# Altium PCB V5_CORE_V1.6.PcbDoc (part 3 of 3)
Units mm, origin at the board's own origin, x right, y up, seen from the top; angles counter-clockwise.
Board outline 33.75 x 33.75 mm, 6 copper layers (Top Layer, GND, S1, S2, POWER, Bottom Layer), stack 1.231 mm thick; 143 components, 224 nets, 730 pads, 388 vias.
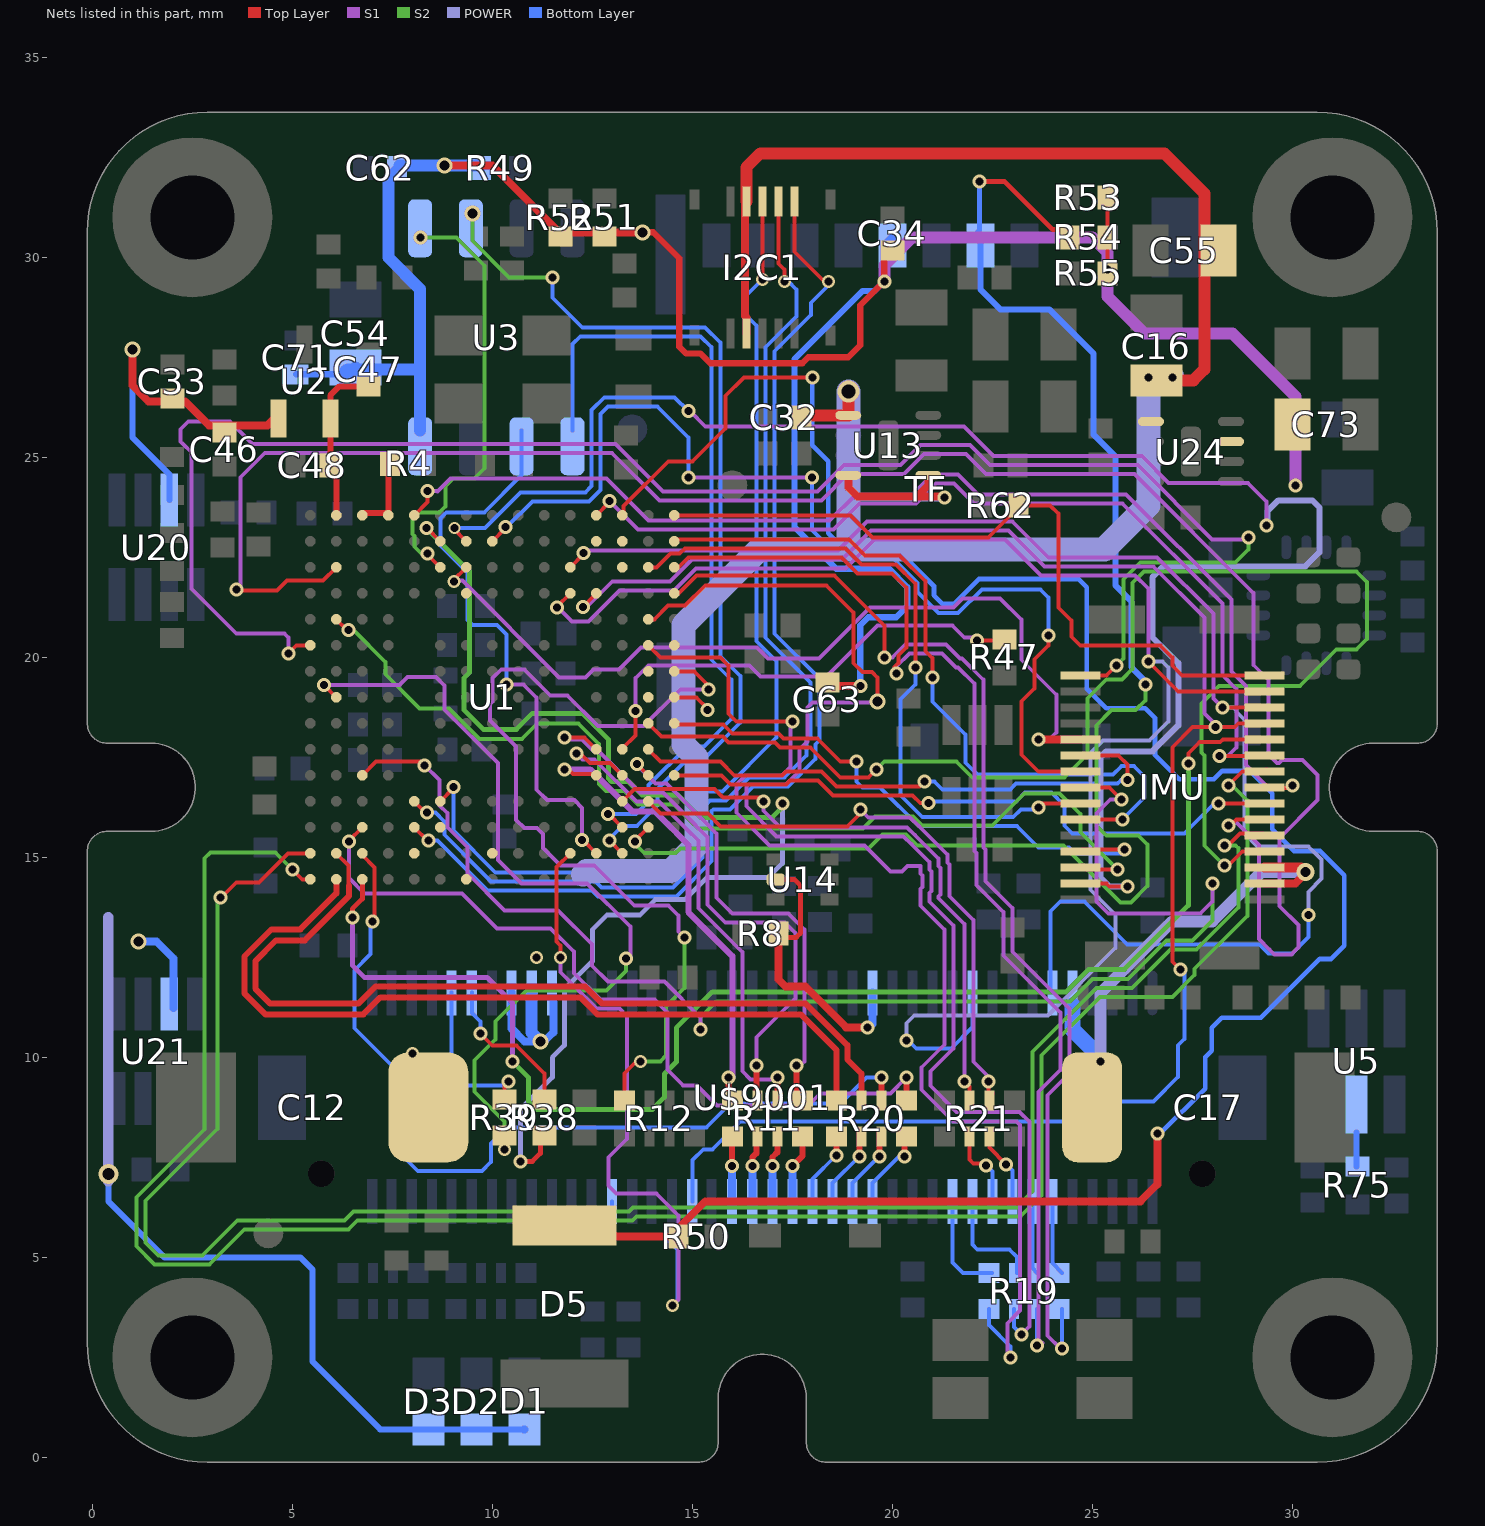
[diagram p7: the nets of this part, all layers, seen from the top]

## Via types
v1: diameter 0.35, hole 0.2, Top Layer to Bottom Layer, tented both sides, 328 vias
v2: diameter 0.4, hole 0.25, Top Layer to Bottom Layer, tented both sides, 32 vias
v3: diameter 0.325, hole 0.2, Top Layer to Bottom Layer, tented both sides, 19 vias
v4: diameter 0.5, hole 0.3, Top Layer to Bottom Layer, tented both sides, 2 vias
v5: diameter 0.4, hole 0.2, Top Layer to Bottom Layer, tented both sides, 2 vias
v6: diameter 0.55, hole 0.35, Top Layer to Bottom Layer, tented both sides, 2 vias
v7: diameter 0.45, hole 0.25, Top Layer to Bottom Layer, tented both sides, 1 vias
v8: diameter 0.32, hole 0.2, Top Layer to Bottom Layer, tented both sides, 1 vias
v9: diameter 0.3, hole 0.2, Top Layer to Bottom Layer, tented both sides, 1 vias

## Nets (pads, with @x,y where several pads share a name; then routed paths per layer and width w, separated by ;. In a path a pad name is that pad's centre, name@x,y a point inside that pad or via, vN(x,y) a via of type N, cw(c..) or ccw(c..) an arc to the next point about the centre after c; other vN are vias at no path point) (continued)
SDMMC1_D3: R54.2 TF.2 U1.B13 | length 39.1
  Top Layer w0.1: v1@13.567,15.417 U1.B13@13.9,15.75
  Top Layer w0.125: v1(22.175,31.9) 22.8,31.9 24,30.7 R54.2@24.425,30.7
  S2 w0.1: v1(13.567,15.398) 13.567,15.335 13.8,15.102 14.584,15.102 14.707,15.225 19.407,15.225 19.757,15.575 20.338,15.575 20.613,15.3 24.281,15.3 25.706,13.875 25.97,13.875 26.375,14.28 26.375,15.325 26.15,15.55 25.35,15.55 25.1,15.8 25.1,18.3 25.476,18.676 26.076,18.676 26.325,18.925 v1(26.325,19.325)
  Bottom Layer w0.125: TF.2@22.1,30.6 22.175,30.675 v1(22.175,31.9)
  Bottom Layer w0.15: TF.2@22.2,30.5 TF.2@22.2,30.3 22.2,29.2 22.7,28.7 23.925,28.7 25.025,27.6 25.025,25.575 25.575,25.025 25.575,21.8 25.975,21.4 25.975,19.755 26.325,19.405 v1(26.325,19.325)
SENSE_RESET: R75.1 U5.5 | length 0.8
  Bottom Layer w0.15: R75.1@31.6,7.275 U5.5@31.6,8.125
SPI1_CS1_ICM20689: IMU.22 U1.H2 | length 26.2
  Top Layer w0.1: U1.H2@10,22.9 v1@10.333,23.233 ; v1(23.9,20.55) 23.9,20.3 23.55,19.95 23.55,19.225 23.225,18.9 23.225,17.575 23.65,17.15 IMU.22@24.7,17.15
  S1 w0.1: v1(14.9,24.5) v1(17.99,24.5)
  Bottom Layer w0.1: v1(10.333,23.252) 10.357,23.252 11.005,23.9 12.418,23.9 12.705,24.187 12.705,26.087 12.893,26.275 14.125,26.275 14.9,25.5 v1(14.9,24.5) ; v1(17.99,24.5) 17.99,23.178 18.703,22.465 20.025,22.465 20.629,21.861 20.629,21.629 21.154,21.105 21.646,21.105 22.241,21.7 23.7,21.7 23.9,21.5 v1(23.9,20.55)
SPI1_CS2_ICM20602: IMU.29 U1.J2 | length 43.7
  Top Layer w0.1: v9@8.998,23.233 9.017,23.233 U1.J2@9.35,22.9 ; IMU.29@24.7,14.35 25.35,14.35 25.425,14.275 v1(25.875,14.275)
  S1 w0.1: v1(14.901,26.151) 14.949,26.151 15.325,25.775 20.452,25.775 21.789,25.775 22.535,25.029 26.238,25.029 26.905,24.362 28.887,24.362 29.35,23.9 v1(29.35,23.3)
  POWER w0.15: v1(25.875,14.275) 25.425,14.275 25.2,14.5 25.2,17.5 25.346,17.646 26.5,17.646 27.15,18.296 27.15,19.854 26.5,20.504 26.5,22 26.775,22.275 30.325,22.275 30.675,22.625 30.675,23.75 30.5,23.925 29.65,23.925 29.375,23.65 29.375,23.325 v1(29.35,23.3)
  Bottom Layer w0.1: v9@8.998,23.233 9.818,23.233 10.71,24.125 12.325,24.125 12.48,24.28 12.48,26.18 12.8,26.5 14.552,26.5 v1(14.901,26.151)
  Bottom Layer w0.15: v1@25.875,14.225 v1(25.875,14.275)
  other v9: 9.05,23.226
SPI1_CS3_BMI055_GYRO: IMU.20 U1.J3 | length 21.7
  Top Layer w0.1: v3@9.017,21.917 U1.J3@9.35,22.25
  Top Layer w0.2: v1(23.65,17.95) IMU.20@24.7,17.95
  S1 w0.1: v3@9.017,21.917 9.251,21.917 11.669,19.5 12.331,19.5 12.531,19.7 13.164,19.7 13.714,20.25 16.614,20.25 16.889,19.975 18.173,19.975 19.448,21.25 20.145,21.25 21.537,21.25 21.762,21.475 22.698,21.475 23.225,20.948 23.225,19.938 24.1,19.063 24.1,18.125 23.925,17.95 v1(23.65,17.95)
  other v3: 9.042,21.892
SPI1_CS4_BMI055_ACC: IMU.21 U1.B10 | length 14.2
  Top Layer w0.1: U1.B10@13.9,17.7 14.21,17.39 15.71,17.39 16.05,17.05 17.245,17.05 17.345,17.15 18.232,17.15 18.607,16.775 20.675,16.775 v1(20.8,16.9) ; IMU.21@24.7,17.55 25.65,17.55 25.876,17.324 v1(25.876,16.926)
  Bottom Layer w0.1: v1(20.8,16.9) 21.05,16.9 21.25,16.7 22.95,16.7 23.09,16.84 25.633,16.84 25.7,16.907 ; v1@25.719,16.926 v1@25.751,16.926
SPI1_DRDY1_ICM20689: IMU.27 U1.A9 | length 14.1
  Top Layer w0.1: U1.A9@14.55,18.35 14.575,18.325 15.775,18.325 16,18.1 17.157,18.1 17.282,17.975 18.125,17.975 18.7,17.4 v1(19.1,17.4) ; IMU.27@24.7,15.15 24.75,15.2 v1(25.8,15.2)
  Bottom Layer w0.1: v1(19.1,17.4) 19.1,16.9 19.25,16.75 19.689,16.75 20.663,15.776 23.124,15.776 23.65,15.25 24.414,15.25 24.564,15.1 25.7,15.1 v1(25.8,15.2)
SPI1_DRDY2_BMI055_GYRO: IMU.5 U1.R14 | length 48.2
  Top Layer w0.1: v1(3.2,14) 3.225,14 3.6,14.375 4.168,14.375 4.893,15.1 U1.R14@5.45,15.1 ; v1(28.3,15.3) 28.395,15.3 28.695,15.6 29.25,15.6 IMU.5@29.3,15.55
  S2 w0.1: v1(3.2,14) 3.125,13.925 3.125,8.207 1.325,6.407 1.325,5.375 1.65,5.05 2.75,5.05 3.625,5.925 6.307,5.925 6.532,6.15 13.414,6.15 13.514,6.25 23.107,6.25 23.5,6.643 23.5,10.136 25.101,11.738 25.992,11.738 26.954,12.7 27.6,12.7 28.65,13.75 28.65,15.226 28.576,15.3 v1(28.3,15.3)
SPI1_DRDY3_BMI055_ACC: IMU.9 U1.R15 | length 51.7
  Top Layer w0.1: v1(5,14.7) 5.25,14.45 U1.R15@5.45,14.45 ; v1(28.4,16.8) 28.75,17.15 IMU.9@29.3,17.15 IMU.9@29.35,17.2
  S2 w0.1: v1(5,14.7) 4.575,15.125 2.961,15.125 2.8,14.964 2.8,8.2 1.1,6.5 1.1,5.282 1.557,4.825 2.925,4.825 3.8,5.7 6.4,5.7 6.625,5.925 13.507,5.925 13.607,6.025 23.2,6.025 23.725,6.55 23.725,10.043 25.194,11.512 27.007,11.512 27.55,12.055 27.55,12.211 28.875,13.536 28.875,16.425 28.5,16.8 v1(28.4,16.8)
SPI1_DRDY4_ICM20602: IMU.28 U1.P5 | length 25.5
  Top Layer w0.1: U1.P5@6.1,20.95 6.374,20.676 v1(6.4,20.676) ; IMU.28@24.7,14.75 24.75,14.8 24.85,14.7 v1(25.628,14.7)
  S1 w0.1: v1(6.4,20.676) 6.4,20.575 v1@6.411,20.564
  S2 w0.1: v1(6.4,20.676) 6.529,20.676 7.325,19.88 7.325,19.581 8.181,18.725 8.914,18.725 9.677,17.962 10.737,17.962 11.125,18.35 12.15,18.35 12.662,17.838 12.662,16.837 12.842,16.658 13.307,16.658 13.639,16.325 14.539,16.325 15.139,15.725 19.27,15.725 19.57,16.025 20.525,16.025 20.75,15.8 22.5,15.8 23.3,16.6 24.187,16.6 24.7,16.087 24.7,15.628 v1(25.628,14.7)
SPI1_DRDY5_BMI055_GYRO: IMU.10 U1.D1 | length 23.2
  Top Layer w0.1: U1.D1@12.6,23.55 12.933,23.883 v1(12.933,23.902) ; v1(28.176,17.526) 29.226,17.526 29.275,17.575 IMU.10@29.3,17.55
  S1 w0.1: v1(12.933,23.902) 13.639,23.196 18.53,23.196 19.184,23.85 20.599,23.85 21.099,24.35 21.547,24.35 22.047,23.85 25.75,23.85 28.251,21.349 28.251,19.555 28.6,19.207 28.6,17.75 28.376,17.526 v1(28.176,17.526)
SPI1_DRDY6_BMI055_ACC: IMU.11 U1.N15 | length 34.7
  Top Layer w0.1: v1(27.4,17.35) 27.4,17.6 27.676,17.876 28.196,17.876 28.27,17.95 IMU.11@29.3,17.95
  Top Layer w0.125: v1(6.5,13.5) 6.5,13.713 6.75,13.963 U1.N15@6.75,14.45
  S1 w0.125: v1(6.5,13.5) 6.5,12.3 6.8,12 9.87,12 10.5,11.37 v1(10.5,9.9)
  S2 w0.125: v1(10.5,9.9) 10.9,9.5 10.9,8.9 11.1,8.7 14,8.7 14.3,9 14.3,9.582 14.6,9.882 14.6,10.736 15.502,11.638 24.347,11.638 24.91,12.2 25.8,12.2 27.4,13.8 v1(27.4,17.35)
SPI1_MISO: IMU.6 U1.P3 | length 49.9
  Top Layer w0.1: v1(3.6,21.7) 3.572,21.7 3.536,21.664 4.614,21.664 4.864,21.914 5.764,21.914 U1.P3@6.1,22.25 ; v1(28.4,15.8) 28.45,15.8 28.6,15.95 IMU.6@29.3,15.95
  S1 w0.1: v1(3.6,21.7) 3.7,21.8 3.7,24.5 4.312,25.112 12.988,25.112 14.175,23.925 18.228,23.925 18.882,24.579 20.297,24.579 20.797,25.079 21.849,25.079 22.349,24.579 26.052,24.579 29.025,21.606 29.025,19.813 29.4,19.438 29.4,17.575 29.62,17.355 29.665,17.355 29.739,17.429 30.26,17.429 30.629,17.061 30.629,16.429 29.675,15.475 29.675,13.782 30.151,13.306 30.151,12.931 30.15,12.929 30.15,12.75 29.975,12.575 29.55,12.575 29.425,12.7 29.171,12.954 29.171,15.305 28.602,15.874 28.4,15.874 v1(28.4,15.8)
SPI1_MOSI: IMU.7 U1.A11 | length 16.3
  Top Layer w0.1: U1.A11@14.55,17.05 15.732,17.05 15.957,16.825 17.338,16.825 17.438,16.925 18.139,16.925 18.514,16.55 20.507,16.55 20.706,16.351 v1(20.901,16.351) ; v1(28.15,16.35) IMU.7@29.3,16.35
  Bottom Layer w0.1: v1(20.901,16.351) v1@20.901,16.399 ; v1(28.15,16.35) 28.1,16.4 27.3,15.6 24.5,15.6 24.3,15.8 24.3,16.3 23.985,16.615 23.315,16.615 23.1,16.4 v1@20.9,16.4 ; v1@20.9,16.4 v1@20.901,16.399
SPI1_SCK: IMU.4 U1.B9 | length 34.8
  Top Layer w0.1: U1.B9@13.9,18.35 14.236,18.014 15.768,18.014 15.907,17.875 17.064,17.875 17.189,17.75 17.95,17.75 18.7,17 19.4,17 v1(19.6,17.2) ; v1(28.3,14.8) 28.4,14.8 28.75,15.15 IMU.4@29.3,15.15
  S2 w0.1: v1(19.6,17.2) 19.8,17.4 21.6,17.4 22,17 24.3,17 24.875,17.575 24.875,18.975 25.35,19.45 25.745,19.45 26,19.705 26,21.857 26.293,22.15 31.6,22.15 31.862,21.888 31.862,20.462 31.6,20.2 31.1,20.2 30.188,19.288 28.174,19.288 27.726,18.84 27.726,17.624 27.8,17.55 27.8,16.495 27.8,16.205 27.8,15.3 v1(28.3,14.8)
SPI2_CS_FRAM: U1.K3 U3.1 | length 11.2
  Top Layer w0.1: v1@8.4,22.575 8.375,22.575 U1.K3@8.7,22.25
  S2 w0.1: v1(8.2,30.5) 9.1,30.5 9.8,29.8 9.8,24.725 9.55,24.475 9.025,24.475 8.825,24.275 8.825,23.775 8.675,23.625 8.175,23.625 8,23.45 8,23.081 8.05,23.032 8.05,22.775 8.225,22.6 v1(8.375,22.6)
SPI2_MISO: U1.C14 U3.2 | length 23.2
  Top Layer w0.1: v1@12.917,15.433 U1.C14@13.25,15.1
  S2 w0.1: v2(9.5,31.1) 9.5,30.418 10.418,29.5 v1(11.5,29.5)
  Bottom Layer w0.1: v1(11.5,29.5) 11.5,29 12.25,28.25 15.318,28.25 15.7,27.868 15.7,26.483 ; v1(12.933,15.425) v1@12.933,15.463 ; v1@12.933,15.463 13.258,15.788 13.619,15.788 14.133,16.301 14.133,16.711 14.972,17.55 15.381,17.55 16.2,18.369 16.2,19.531 15.7,20.031 15.7,25.819 ; 15.701,25.82 15.701,26.483
SPI2_MOSI: U1.C13 U3.5 | length 20.1
  Top Layer w0.1: v1@12.917,16.083 U1.C13@13.25,15.75
  Bottom Layer w0.1: U3.5@12.005,25.675 12.005,27.83 12.2,28.025 15.202,28.025 15.475,27.752 15.475,26.39 ; v1(12.898,16.083) 13.596,16.083 13.908,16.395 13.908,16.804 14.878,17.775 15.288,17.775 15.975,18.462 15.975,19.438 15.475,19.938 15.475,25.912 ; 15.476,25.913 15.476,26.389
SPI2_SCK: U1.D14 U3.6 | length 14.6
  Top Layer w0.1: v1@12.267,15.433 U1.D14@12.6,15.1
  S1 w0.1: v1(10.36,19.325) 10.775,19.325 11.1,19 11.1,16.7 11.367,16.433 12.053,16.433 12.248,16.238 v1(12.248,15.433)
  Bottom Layer w0.1: v1(10.36,19.325) 10.36,20.571 10.12,20.811 9.5,20.811 9.38,20.931 9.38,22.12 8.7,22.8 8.7,23.475 8.85,23.625 9.8,23.625 10.735,24.56 U3.6@10.735,25.675
SPI4_CS1_MS5611: IMU.8 U1.L1 | length 29.6
  Top Layer w0.1: U1.L1@8.05,23.55 8.383,23.883 8.375,23.89 ; 8.375,23.891 v1(8.375,24.151) ; IMU.8@29.3,16.75 29.35,16.8 29.424,16.726 v1@29.976,16.726
  S1 w0.1: v1(8.375,24.151) 8.629,24.151 8.63,24.15 8.955,24.475 12.855,24.475 13.909,23.421 18.437,23.421 19.091,24.075 20.506,24.075 21.006,24.575 21.64,24.575 22.14,24.075 25.843,24.075 28.476,21.442 28.476,19.649 28.848,19.277 28.848,17.302 29.424,16.726 v1@29.976,16.726
  other v1: 30,16.8
SPI4_CS2: IMU.16 U1.R6 | length 44
  Top Layer w0.1: v1(4.9,20.1) 5.1,20.3 U1.R6@5.45,20.3 ; IMU.16@24.7,19.55 25.35,19.55 v1(25.6,19.8)
  S1 w0.1: v1(4.9,20.1) 4.9,20.5 4.8,20.6 3.6,20.6 2.475,21.725 2.475,25.13 2.255,25.35 2.25,25.35 2.2,25.4 2.2,25.7 2.4,25.9 3.446,25.9 4.008,25.337 13.081,25.337 14.268,24.15 18.135,24.15 18.789,24.804 20.204,24.804 20.704,25.304 21.942,25.304 22.442,24.804 26.145,24.804 27.999,22.95 28.85,22.95 v1(28.9,23)
  S2 w0.1: v1(25.6,19.8) 25.775,19.975 25.775,21.95 26.2,22.375 28.575,22.375 28.9,22.7 v1(28.9,23)
SPI4_MISO: IMU.23 U1.N11 | length 35.5
  Top Layer w0.1: U1.N11@6.75,17.05 7.09,17.39 8.21,17.39 v1(8.3,17.3) ; IMU.23@24.7,16.75 25.425,16.75 v1(25.725,16.45)
  S1 w0.1: v1(8.3,17.3) 8.312,17.3 8.683,16.93 8.683,16.297 8.875,16.105 8.875,15.758 9.375,15.258 9.375,14.607 10.307,13.675 11.639,13.675 12.487,12.826 12.487,12.294 12.89,11.892 14.308,11.892 15.2,11 v1(15.2,10.7) ; v1(25.725,16.45) 25.45,16.45 25.1,16.1 25.1,13.9 25.4,13.6 27.7,13.6 28,13.9 v1(28,14.345)
  S2 w0.1: v1(15.2,10.7) 15.2,11 15.6,11.4 24.445,11.4 25.008,11.963 25.898,11.963 26.861,12.925 27.507,12.925 28,13.419 v1(28,14.345)
SPI4_MOSI: IMU.24 U1.B3 | length 17.6
  Top Layer w0.1: U1.B3@13.9,22.25 14.112,22.25 14.452,22.59 14.678,22.59 14.813,22.725 18.83,22.725 19.23,22.325 20.088,22.325 20.575,21.838 v1(20.575,19.747) ; v1@23.65,16.35 IMU.24@24.7,16.35
  Top Layer w0.125: IMU.24@24.7,16.35 IMU.24@24.737,16.313
  Bottom Layer w0.1: v1(20.575,19.747) 20.575,19.325 20.2,18.95 20.2,16.557 20.756,16.001 23.019,16.001 23.218,16.2 23.5,16.2 v1@23.65,16.35
  other v1: 23.65,16.25
SPI4_SCK: IMU.25 U1.A2 | length 18.8
  Top Layer w0.1: U1.A2@14.55,22.9 14.6,22.95 18.923,22.95 19.323,22.55 20.181,22.55 20.825,21.906 20.825,20.925 20.825,20.157 21,19.982 v1(21,19.5) ; IMU.25@24.7,15.95 v1(25.75,15.95)
  Bottom Layer w0.1: v1(21,19.5) 21,18.9 21.825,18.075 21.825,17.375 22.135,17.065 25.52,17.065 25.731,17.276 26.049,17.276 26.3,17.025 26.3,16.5 v1(25.75,15.95)
SPI5_CS1_EX1: IMU.12 U1.D4 U$9001.48 | length 45.6
  Top Layer w0.1: v1(12.263,21.252) 12.263,21.263 U1.D4@12.6,21.6 ; v1(27.2,12.2) 27,12.4 27,17.75 27.501,18.251 v1(28.076,18.251) 28.551,18.251 28.65,18.35 IMU.12@29.3,18.35
  S1 w0.1: v1(12.263,21.252) 12.344,21.252 12.348,21.248 13,21.9 14.445,21.9 14.995,22.45 18.738,22.45 19.463,23.175 22.907,23.175 23.807,22.275 26.525,22.275 27.801,20.999 27.801,18.599 v1@28.113,18.287 ; v1(28.076,18.251) v1@28.149,18.251
  Bottom Layer w0.1: U$9001.48@15.005,6.4 15.005,7.43 15.275,7.7 15.5,7.7 16.2,8.4 24.564,8.4 25.064,8.9 26.536,8.9 27.137,9.502 27.137,10.289 27.3,10.451 27.3,12.1 v1(27.2,12.2)
SPI5_CS2_EX1: IMU.13 U1.E3 U$9001.11 | length 38.2
  Top Layer w0.1: U1.E3@11.95,22.25 12.283,22.583 v1(12.283,22.602) ; v1(28.25,18.75) IMU.13@29.3,18.75
  S1 w0.1: v1(12.283,22.602) 12.355,22.675 18.645,22.675 19.37,23.4 23,23.4 23.9,22.5 26.618,22.5 28.026,21.092 28.026,18.974 v1(28.25,18.75)
  POWER w0.1: v1(28.25,18.75) 28.525,18.75 28.6,18.675 28.6,18.65 28.8,18.45 28.8,15.6 29.125,15.275 30.4,15.275 30.734,14.941 30.734,14.469 30.401,14.136 v1(30.401,13.551)
  Bottom Layer w0.1: U$9001.11@24.002,11.608 23.95,11.66 23.95,13.65 24.2,13.9 24.8,13.9 25.875,12.825 29.175,12.825 29.4,12.6 30,12.6 30.401,13.001 v1(30.401,13.551)
SPI5_CS3_EX1: IMU.14 U1.E4 U$9001.19 | length 40.3
  Top Layer w0.1: v1(11.617,21.248) 11.617,21.267 U1.E4@11.95,21.6 ; v1(26.4,19.9) 27.15,19.15 IMU.14@29.3,19.15
  S1 w0.1: v1(11.617,21.248) 11.647,21.248 11.997,20.898 12.404,20.898 13.181,21.675 14.539,21.675 15.089,22.225 18.832,22.225 19.557,22.95 22.814,22.95 23.714,22.05 26.066,22.05 26.4,21.716 v1(26.4,19.9)
  POWER w0.1: v1(20.35,10.425) 20.35,10.85 20.55,11.05 23.89,11.05 25.575,12.735 25.575,13.135 25.575,13.575 24.95,14.2 24.95,17.604 25.271,17.925 26.425,17.925 26.9,18.4 26.9,19.75 26.75,19.9 v1(26.4,19.9)
  Bottom Layer w0.1: v1@20.4,10.425 20.6,10.225 21.475,10.225 22.007,10.757 U$9001.19@22.007,11.616
SPI5_DRDY7_EXTERNAL1: U1.L14
SPI6_CS1_EXTERNAL2: U1.C3
SPI6_CS2_EXTERNAL2: U1.C2
SPI6_CS3_EXTERNAL2: U1.D2
SPI6_MOSI_EX2: U1.A6
SPI6_MOSI_EXTERNAL2: U1.B8
SPI6_SCK_EXTERNAL2: U1.A8 | length 1
  Top Layer w0.1: U1.A8@14.55,19 15.1,19 15.376,18.724 v1(15.376,18.676)
SPIAUX_CS_MEM: U1.J4
TF_3V3: C34.2 C54.1 C62.2 C63.2 C71.2 C73.1 R49.1 R51.1 R52.1 R53.1 R54.1 R55.1 TF.4 U3.8 U24.7 | length 62.8
  Top Layer w0.1: v1(25.375,29.7) R54.1@25.375,30.5 R53.1@25.375,31.5 R53.1@25.375,31.6
  Top Layer w0.154: v2(13.75,30.625) 14.025,30.625 14.675,29.975 14.675,27.764 14.841,27.598 15.202,27.598 15.448,27.352 17.752,27.352 17.9,27.5 18.9,27.5 19.2,27.8 19.2,28.8 v1(19.8,29.4) 19.8,29.975 C34.2@20,30.175
  Top Layer w0.2: v2(8.8,32.3) 10,32.3 11.675,30.625 v2(13.75,30.625) ; C63.2@18.25,19.35 18.324,19.276 v1(19.201,19.276) ; R53.1@25.375,31.6 R53.1@25.375,31.7
  S1 w0.3: v1(19.8,29.4) 19.8,29.8 20.5,30.5 25,30.5 25.375,30.125 v1(25.375,29.7) 25.375,29.025 26.3,28.1 28.5,28.1 30.075,26.525 v1(30.075,24.3)
  Bottom Layer w0.154: C71.2@5.1,27.075 C54.1@6.4,27.075 ; C54.1@6.3,26.975 C54.1@6.4,27.075 ; C54.1@6.575,27.25 6.425,27.1 C54.1@6.4,27.075 ; v1(19.201,19.276) 19.201,20.801 19.4,21 20.1,21 20.377,21.277 20.377,21.756 19.92,22.213 18.598,22.213 17.552,23.259 17.552,27.452 19.259,29.159 19.559,29.159 v1(19.8,29.4)
  Bottom Layer w0.2: v1(19.8,29.4) 19.8,30.3 TF.4@20,30.5
  Bottom Layer w0.3: C54.1@6.575,27.25 6.625,27.2 8.195,27.2 ; U3.8@8.195,25.675 8.195,27.2 ; R49.1@9.725,32.3 v2(8.8,32.3) 7.687,32.3 7.687,32.236 7.4,31.949 7.4,30 8.195,29.205 8.195,27.2
  Bottom Layer w0.5: C54.1@6.4,27.1 C54.1@6.425,27.1
TIM5_SPARE_4: U1.E14 U$9001.56 | length 18.1
  Top Layer w0.1: v3(11.7,12.5) 11.7,12.8 11.61,12.89 11.61,14.76 U1.E14@11.95,15.1
  S1 w0.1: v3(11.7,12.5) 11.7,12.127 12.61,11.217 13.183,11.217 13.362,11.038 13.362,7.962 12.9,7.5 12.9,6.8 13.1,6.6 14.1,6.6 14.65,6.05 14.65,3.95 v3(14.5,3.8)
  Bottom Layer w0.1: U$9001.56@12.993,6.392 12.993,5.607 13.075,5.525 14.293,5.525 14.625,5.193 14.625,3.925 v3(14.5,3.8)
UART4_RX: R21.2 U1.B12 | length 15.1
  Top Layer w0.1: U1.B12@13.9,16.4 14.21,16.09 15.392,16.09 15.707,15.775 18.875,15.775 19.2,16.1 v1(19.2,16.2) ; R21.2@22.4,9.092 v1(22.4,9.4) ; R21.2@22.425,8.925 22.379,8.971 R21.2@22.5,9.092
  S1 w0.1: v1(19.2,16.2) 19.4,16 20.439,16 20.663,15.776 21.375,15.064 21.375,14.874 21.425,14.825 21.425,14.03 22.025,13.43 22.025,9.9 22.5,9.425 v1@22.5,9.4
UART4_RX_I2C2: R21.7 U$9001.16 | length 1.9
  Top Layer w0.1: R21.7@22.425,8.025 22.425,7.743 v1(22.843,7.325)
  Bottom Layer w0.1: v1@22.85,7.325 23.007,7.168 U$9001.16@23.007,6.4
UART4_TX: R21.3 U1.C12 | length 15.4
  Top Layer w0.1: U1.C12@13.25,16.4 13.56,16.71 15.554,16.71 15.764,16.5 v1@16.8,16.5 ; v1(21.8,9.4) 21.925,9.275 R21.3@21.925,8.925
  S1 w0.1: v1@16.8,16.5 16.775,16.475 16.775,16.175 17.2,15.75 20.37,15.75 20.57,15.551 21.15,14.97 21.15,14.781 21.2,14.731 21.2,14.069 21.15,14.019 21.15,13.986 21.8,13.336 v1(21.8,9.4)
  other v1: 16.775,16.4
UART4_TX_I2C2: R21.6 U$9001.18 | length 2
  Top Layer w0.1: R21.6@21.925,8.025 21.925,7.45 22.025,7.35 22.293,7.35 v1(22.343,7.3)
  Bottom Layer w0.1: v1@22.35,7.3 22.507,7.143 U$9001.18@22.507,6.4
UART7_RX: R38.1 U1.K2 | length 30.2
  Top Layer w0.1: v1@8.367,23.233 U1.K2@8.7,22.9
  Top Layer w0.125: v1(10.7,7.4) 11,7.4 11.2,7.6 R38.1@11.2,8.05
  S2 w0.125: v1@8.348,23.226 v1@8.348,23.233 ; v1(8.35,23.226) 9.425,22.152 9.425,19.613 9.288,19.476 9.288,18.687 9.775,18.2 10.6,18.2 11,18.6 12.25,18.6 12.9,17.95 12.9,16.975 12.98,16.895 13.405,16.895 13.737,16.563 14.637,16.563 15.2,16 17,16 17.25,16.25 v1(17.25,16.35)
  POWER w0.125: v1(10.7,7.4) 10.7,8.7 11.5,9.5 11.5,10 11.8,10.3 11.8,11.7 12.5,12.4 12.5,13.189 12.873,13.562 13.698,13.562 14.084,13.948 14.785,13.948 14.823,13.948 15.375,14.5 16.9,14.5 17.25,14.85 v1(17.25,16.35)
UART7_RX_DEBUG: R38.2 U$9001.69 | length 3.8
  Top Layer w0.1: v1(9.7,10.6) 10,10.3 10.6,10.3 11.3,9.6 R38.2@11.3,8.95
  Bottom Layer w0.1: U$9001.69@9.488,11.608 9.488,11.105 9.7,10.893 v1(9.7,10.6) ; U$9001.69@9.493,11.608 U$9001.69@9.493,11.616
UART7_TX: R39.1 U1.P8 | length 21.2
  Top Layer w0.1: v1@5.764,19.336 v1(5.789,19.311) U1.P8@6.1,19
  S1 w0.1: v1(5.789,19.311) 7.686,19.311 7.876,19.501 8.599,19.501 8.8,19.3 8.8,18.7 10.148,17.352 10.148,14.934 10.732,14.35 12.364,14.35 13.45,13.264 13.45,12.55 13.367,12.467 v1(13.343,12.467)
  S2 w0.1: v3(10.3,7.7) 10.3,8.4 9.55,9.15 9.55,9.92 10.075,10.445 10.075,10.893 10.857,11.675 12.861,11.675 13.343,12.157 v1(13.343,12.467)
UART7_TX_DEBUG: R39.2 U$9001.71 | length 4.1
  Top Layer w0.1: R39.2@10.3,8.95 10.3,9.3 v1(10.4,9.4)
  Bottom Layer w0.1: U$9001.71@8.98,11.608 8.98,9.62 9.3,9.3 10.3,9.3 v1(10.4,9.4) ; U$9001.71@8.985,11.608 U$9001.71@8.985,11.616
UART8_RX: R19.1 U1.A4 | length 28.7
  Top Layer w0.1: U1.A4@14.55,21.6 14.657,21.6 15.107,22.05 18.55,22.05 19.8,20.8 v1(19.8,20)
  S1 w0.1: v1(19.8,20) 20,20 20.325,20.325 21.339,20.325 21.689,19.975 21.738,19.975 22.275,19.438 22.275,15.247 22.325,15.197 22.325,14.402 23,13.727 23,12.643 24.425,11.218 24.425,9.589 23.875,9.039 23.875,3.05 24.202,2.723 v1(24.248,2.723)
  Bottom Layer w0.1: v1(24.248,2.723) R19.1@24.248,3.711
UART8_RX_PORT: R19.8 U$9001.12 | length 1.9
  Bottom Layer w0.1: U$9001.12@24.007,6.4 24.007,4.851 R19.8@24.248,4.61
UART8_TX: R19.2 U1.A3 | length 29.8
  Top Layer w0.1: U1.A3@14.55,22.25 14.557,22.243 14.65,22.243 14.907,22.5 18.736,22.5 19.136,22.1 19.995,22.1 20.35,21.745 20.35,20.25 20.15,20.05 20.15,19.855 20.05,19.755 20.05,19.65 v1(20.1,19.6)
  S1 w0.1: v1(20.1,19.6) 20.1,19.767 20.433,20.1 21.245,20.1 21.595,19.75 21.645,19.75 22.05,19.345 22.05,15.154 22.1,15.104 22.1,14.309 22.775,13.634 22.775,12.55 24.2,11.125 24.2,9.682 23.65,9.132 23.65,2.957 23.75,2.857 23.693,2.8 v1(23.623,2.8)
  Bottom Layer w0.1: v1(23.623,2.8) R19.2@23.623,3.711
UART8_TX_PORT: R19.7 U$9001.14 | length 1.8
  Bottom Layer w0.1: U$9001.14@23.507,6.4 23.507,4.726 R19.7@23.623,4.61
UI_LED_BLUE: I2C1.8 U1.K12 | length 26.2
  Top Layer w0.1: U1.K12@8.7,16.4 v1@9.033,16.733 ; v3(16.75,29.45) I2C1.8@16.75,31.4
  Bottom Layer w0.1: v1(9.033,16.752) 9.033,15.667 10.075,14.625 12.679,14.625 12.804,14.5 14.445,14.5 15.033,15.087 15.033,16.338 15.344,16.65 15.754,16.65 17.1,17.996 17.1,19.904 16.6,20.404 16.6,25.446 16.601,26.855 ; 16.6,26.856 16.6,28.3 16.362,28.538 16.362,29.062 v3(16.75,29.45)
UI_LED_GREEN: I2C1.7 U1.L12 | length 28
  Top Layer w0.1: U1.L12@8.05,16.4 8.367,16.083 v1(8.367,16.117) ; I2C1.7@17.15,31.4 17.15,29.85 17.3,29.7 v3(17.3,29.4)
  Bottom Layer w0.1: v1(8.367,16.117) 8.583,16.117 8.8,15.9 8.8,15.57 9.97,14.4 12.585,14.4 12.735,14.25 14.514,14.25 15.258,14.994 15.258,16.245 15.438,16.425 15.847,16.425 16.422,17 17.3,17 17.85,17.55 17.85,17.918 17.951,18.019 17.951,19.371 16.825,20.497 16.825,25.353 ; 16.825,26.949 16.825,27.743 17.6,28.518 17.6,29.2 17.4,29.4 v3(17.3,29.4) ; 16.826,25.354 16.826,26.949
UI_LED_RED: I2C1.6 U1.L13 | length 28.3
  Top Layer w0.1: U1.L13@8.05,15.75 v1@8.383,15.417 ; I2C1.6@17.55,31.4 17.55,30.15 18.3,29.4 v3(18.4,29.4)
  Bottom Layer w0.1: v1(8.402,15.417) 8.634,15.417 9.877,14.175 12.492,14.175 12.642,14.025 14.607,14.025 15.483,14.901 15.483,16.152 15.531,16.2 15.94,16.2 16.515,16.775 17.393,16.775 18.075,17.457 18.075,17.825 18.176,17.926 18.176,19.465 17.05,20.59 17.05,25.26 ; 17.05,27.043 17.05,27.65 17.962,28.562 17.962,28.862 18.4,29.3 v3(18.4,29.4) ; 17.051,25.261 17.051,27.042
USART1_GPS1_RX: R19.6 U$9001.20 | length 2.7
  Bottom Layer w0.1: U$9001.20@22.007,6.4 22.007,5.318 22.125,5.2 22.925,5.2 23.123,5.002 R19.6@23.123,4.61
USART1_GPS1_TX: R19.5 U$9001.22 | length 2.6
  Bottom Layer w0.1: U$9001.22@21.507,6.4 21.507,4.868 21.765,4.61 R19.5@22.498,4.61
USART1_RX_GPS: R19.3 U1.B5 | length 34.1
  Top Layer w0.1: U1.B5@13.9,20.95 14.05,20.95 14.39,21.29 14.815,21.29 15.325,21.8 18.35,21.8 19.025,21.125 19.025,19.857 19.255,19.627 19.498,19.627 19.625,19.5 v2(19.625,18.9)
  S1 w0.1: v2(19.625,18.9) 19.6,18.875 18,18.875 17.875,18.75 17.875,17.9 17.675,17.7 17.675,17.157 17.343,16.825 16.425,16.825 16.35,16.75 16.35,16.282 17.107,15.525 20.277,15.525 20.476,15.326 20.925,14.877 20.925,14.688 20.975,14.638 20.975,14.162 20.925,14.112 20.925,13.893 21.525,13.293 21.525,10.22 20.95,9.645 20.95,9.293 21.606,8.638 23.181,8.638 23.425,8.393 23.425,3.275 v1(23.225,3.075)
  Bottom Layer w0.1: R19.3@23.048,3.711 23.048,3.252 v1@23.25,3.05
USART1_TX_GPS: R19.4 U1.B6 | length 30.1
  Top Layer w0.1: U1.B6@13.9,20.3 14.21,19.99 15.71,19.99 15.9,19.8 15.9,18.6 16.1,18.4 v1(17.5,18.4)
  S1 w0.1: v1(17.5,18.4) 17.45,18.35 17.45,17.255 17.245,17.05 16.332,17.05 16.1,16.818 16.1,16.125 16.925,15.3 19.305,15.3 19.955,14.65 20.245,14.65 20.379,14.784 20.7,14.784 20.7,14.595 20.75,14.545 20.75,14.255 20.7,14.205 20.7,13.8 21.3,13.2 21.3,10.313 20.725,9.738 20.725,9.2 21.525,8.4 23.1,8.4 23.193,8.307 23.193,3.668 22.875,3.35 22.875,2.575 v1(22.95,2.5)
  Bottom Layer w0.1: R19.4@22.423,3.711 22.423,3.302 22.95,2.775 v1(22.95,2.5)
USART2_CTS: R11.4 U1.D11 | length 11.6
  Top Layer w0.1: v1@11.9,17.2 12.017,17.083 12.6,17.083 U1.D11@12.6,17.05
  Top Layer w0.15: v1(15.9,9.5) 15.9,9.025 R11.4@16,8.925
  S1 w0.15: v1(11.8,17.2) 12.446,17.2 13.5,16.146 14.064,16.146 14.383,15.827 14.388,15.827 14.608,15.608 14.608,15.602 14.9,15.31 14.9,13.628 16,12.528 16,9.841 16,9.5 v1(15.9,9.5)
USART2_CTS_PORT: R11.5 U$9001.44 | length 1.5
  Top Layer w0.15: v1(15.995,7.286) R11.5@15.995,8.02
  Bottom Layer w0.2: U$9001.44@15.995,6.4 v1@15.995,7.186
USART2_RTS: R11.3 U1.D10 | length 14.1
  Top Layer w0.1: v1(11.8,18) 12.3,18 U1.D10@12.6,17.7
  Top Layer w0.15: R11.3@16.6,8.95 R11.3@16.625,8.925 ; R11.3@16.6,9.15 v1(16.6,9.8)
  S1 w0.1: v1(11.8,18) 11.85,17.95 12.245,17.95 12.52,17.675 12.643,17.675 13.697,16.621 14.265,16.621 15.083,15.804 15.083,15.799 15.375,15.507 15.375,13.825 15.825,13.375 17.307,13.375 17.575,13.107 17.575,11.475 16.6,10.5 v1(16.6,9.8)
USART2_RTS_PORT: R11.6 U$9001.42 | length 1.6
  Top Layer w0.15: v1(16.503,7.286) 16.503,7.503 16.6,7.6 16.6,8 R11.6@16.625,8.025
  Bottom Layer w0.2: U$9001.42@16.503,6.4 v1@16.503,7.186
USART2_RX: R11.1 U1.B11 | length 11.9
  Top Layer w0.1: v1@13.567,17.383 U1.B11@13.9,17.05
  Top Layer w0.15: v1(17.6,9.8) 17.6,9 R11.1@17.7,8.9
  S1 w0.1: v1@13.548,17.383 14.084,16.846 14.359,16.846 15.308,15.898 15.308,15.892 15.6,15.6 15.6,14 16,13.6 17.4,13.6 17.8,13.2 17.8,9.9 17.7,9.8 v1(17.6,9.8)
  other v1: 13.623,17.333
USART2_RX_PORT: R11.8 U$9001.38 | length 1.6
  Top Layer w0.15: v1(17.507,7.286) 17.75,7.529 R11.8@17.75,8.025
  Bottom Layer w0.2: U$9001.38@17.507,6.4 v1@17.507,7.186
USART2_TX: R11.2 U1.C11 | length 13.1
  Top Layer w0.1: v1(12.1,17.6) 12.2,17.6 12.44,17.36 12.94,17.36 U1.C11@13.25,17.05
  Top Layer w0.15: R11.2@17.125,8.925 v1(17.125,9.5)
  S1 w0.1: v1(12.1,17.6) 12.25,17.45 12.55,17.45 13.604,16.396 14.172,16.396 14.858,15.711 14.858,15.706 15.15,15.414 15.15,13.732 16.25,12.632 16.25,9.655 16.455,9.45 17.075,9.45 v1(17.125,9.5)
USART2_TX_PORT: R11.7 U$9001.40 | length 1.6
  Top Layer w0.15: v1(17.007,7.286) 17.007,7.507 17.125,7.625 R11.7@17.125,8.025
  Bottom Layer w0.2: U$9001.40@17.007,6.4 v1@17.007,7.186
USART3_CTS: R20.2 U1.N14 | length 22.3
  Top Layer w0.1: U1.N14@6.75,15.1 6.75,15.055 7.06,14.745 7.06,13.46 v1(7,13.4)
  Top Layer w0.15: R20.2@19.725,8.925 v1(19.725,9.5)
  Bottom Layer w0.1: v1(7,13.4) 6.959,13.359 6.959,12.577 6.55,12.168 6.55,10.73 7.675,9.605 7.675,7.625 8.138,7.162 9.74,7.162 9.962,7.385 9.962,7.84 10.373,8.25 15.35,8.25 15.95,8.85 18.704,8.85 19.354,9.5 v1(19.725,9.5)
USART3_CTS_PORT: R20.7 U$9001.32 | length 2
  Top Layer w0.15: v1(19.675,7.525) R20.7@19.675,8.1
  Bottom Layer w0.1: U$9001.32@19.007,6.4 19.007,6.863 19.67,7.525 v1(19.675,7.525)
USART3_RTS: R20.1 U1.N13 | length 19.7
  Top Layer w0.1: v1(6.417,15.398) 6.417,15.417 U1.N13@6.75,15.75
  Top Layer w0.15: R20.1@20.35,8.925 v1(20.35,9.5)
  S1 w0.1: v1(6.417,15.398) 6.417,14.483 6.8,14.1 9.245,14.1 10.12,13.225 11.452,13.225 12.037,12.64 12.037,12.108 12.704,11.442 14.058,11.442 14.375,11.125 14.375,9.7 14.775,9.3 15.116,9.3 15.616,8.8 17.9,8.8 18.2,9.1 19.95,9.1 v1(20.35,9.5)
USART3_RTS_PORT: R20.8 U$9001.30 | length 2.1
  Top Layer w0.15: v1(20.3,7.525) R20.8@20.3,8.1
  Bottom Layer w0.1: U$9001.30@19.507,6.4 19.507,6.862 20.17,7.525 v1(20.3,7.525)
USART3_RX: R20.3 U1.P14 | length 22.2
  Top Layer w0.1: U1.P14@6.1,15.1 6.41,14.79 6.41,14.293
  Top Layer w0.15: 6.417,14.293 6.417,14.028 5.314,12.925 4.595,12.925 4.075,12.405 4.075,11.714 4.439,11.35 6.661,11.35 7.086,11.775 12.314,11.775 12.739,11.35 17.826,11.35 18.875,10.301 18.875,9.944 19.225,9.594 R20.3@19.225,8.925
USART3_RX_PORT: R20.6 U$9001.34 | length 2
  Top Layer w0.15: v1(19.175,7.525) R20.6@19.175,8.1
  Bottom Layer w0.1: U$9001.34@18.507,6.4 18.507,6.858 v1(19.175,7.525)
USART3_TX: R20.4 U1.P15 | length 21.2
  Top Layer w0.15: U1.P15@6.1,14.45 6.1,14.1 5.2,13.2 4.481,13.2 3.8,12.519 3.8,11.6 4.325,11.075 6.775,11.075 7.2,11.5 12.2,11.5 12.625,11.075 17.712,11.075 18.6,10.187 R20.4@18.6,8.925
USART3_TX_PORT: R20.5 U$9001.36 | length 2
  Top Layer w0.15: v1(18.6,7.55) R20.5@18.6,8.025 R20.5@18.6,8.125
  Bottom Layer w0.1: U$9001.36@18.007,6.4 18.007,6.957 v1(18.6,7.55)
USART6_CTS: U1.B7
USART6_RTS: U1.H14
USART6_RX: R47.1 U1.C10 | length 12.1
  Top Layer w0.1: U1.C10@13.25,17.7 13.25,17.714 13.576,18.04 v1(13.576,18.651) ; v1(22.113,20.413) R47.1@22.8,20.413
  S1 w0.1: v1(13.576,18.651) 13.576,19.476 13.9,19.8 16.427,19.8 16.702,19.525 18.359,19.525 19.634,20.8 20.331,20.8 21.5,20.8 21.8,20.5 22.1,20.5 22.113,20.487 v1(22.113,20.413)
USART6_TX: R12.4 U1.A7 | length 22.3
  Top Layer w0.1: R12.4@13.3,8.925 13.3,9.6 13.6,9.9 v3(13.7,9.9) ; U1.A7@14.55,19.65 15.05,19.65 v1@15.425,19.275
  S1 w0.1: v1(14.8,13) 14.65,13.15 14.65,13.55 14.4,13.8 13.55,13.8 12.55,14.8 11.705,14.8 11.267,15.238 11.267,15.528 11.267,15.578 11.112,15.733 11.093,15.733 10.803,15.733 10.598,15.938 10.598,17.77 9.948,18.42 9.948,18.828 10.01,18.89 10.01,19.485 10.225,19.7 10.8,19.7 11.45,19.05 11.875,19.05 12.642,18.283 13.783,18.283 14.7,19.2 v1(15.4,19.2)
  S2 w0.1: v3(13.7,9.9) 14.2,9.9 14.339,10.039 14.339,11.274 14.8,11.736 14.8,13.061 v1(14.8,13)
VBAT: D5.1 R50.1 U1.C1 | length 56
  Top Layer w0.1: U1.C1@13.25,23.55 13.283,23.583 13.283,23.783 14.4,24.9 15,24.9 15.825,25.725 15.825,26.528 16.297,27 v1(18,27)
  Top Layer w0.2: D5.1@12.5,6.1 13.075,5.525 14.45,5.525 15.325,6.4 26.2,6.4 26.625,6.825 v1(26.625,8.1)
  Bottom Layer w0.12: v1(18,27) 18,25.3 18.4,24.9 18.4,23.1 18.8,22.7 20.122,22.7 21.04,21.782 21.04,21.551 21.251,21.34 21.549,21.34 22.169,21.96 24.649,21.96 24.86,21.749 24.86,19.215 25.35,18.725 26.325,18.725 26.565,18.485 26.565,17.56 27.175,16.95 28.041,16.95 28.251,17.16 28.94,17.16 29.5,16.6 29.5,15.7 30.04,15.16 30.69,15.16 31.3,14.55 31.3,12.791 30.969,12.46 30.687,12.46 29.217,10.99 28.241,10.99 27.985,10.734 27.985,10.168 27.823,10.005 27.823,9.218 26.705,8.1 v1(26.625,8.1)
VBUS: R8.2 U14.5 U$9001.29 | length 7
  Top Layer w0.1: R8.2@17.15,13 R8.2@17.189,13
  Top Layer w0.125: U14.5@17.085,14.441 17.559,14.441 17.7,14.3 17.7,13.1 17.6,13 R8.2@17.189,13
  Top Layer w0.2: R8.2@17.15,13 17.15,11.95 17.325,11.775 17.825,11.775 18.849,10.751 v1(19.376,10.751)
  Bottom Layer w0.2: v1@19.5,10.83 U$9001.29@19.5,11.616
VDD_3V3_SENSORS_EN: IMU.15 R62.1 U1.A1 | length 18.8
  Top Layer w0.1: U1.A1@14.55,23.55 18.959,23.55 19.509,23 22.4,23 23.2,23.8 23.9,23.8 23.945,23.8 24.15,23.595 24.15,21.25 24.475,20.925 24.475,20.525 24.7,20.3 26.7,20.3 27,20 27,19.8 27.25,19.55 IMU.15@29.3,19.55
VDD_5V_IN: C12.A C16.1 C32.2 C33.2 C46.1 C55.1 D1.1 D2.1 D3.1 I2C1.2 I2C1.9 U2.1 U13.1 U13.4 U13.5 U20.3 U21.3 U24.1 U$9001.61 U$9001.63 U$9001.65 | length 96.2
  Top Layer w0.15: v2@1.153,12.847 v2(1.153,12.9) v2@1.2,12.853 ; C33.2@1.925,26.4 C33.2@2,26.475
  Top Layer w0.2: v2(1,27.7) 1,26.8 1.4,26.4 1.925,26.4 2.316,26.4 2.916,25.8 4.375,25.8 U2.1@4.65,26.075 ; I2C1.2@16.35,28.1 16.35,28.5 16.312,28.538 16.312,31.362 I2C1.9@16.35,31.4 ; U13.4@18.9,24.55 18.9,24.25 19.125,24.025 20.625,24.025 ; U13.5@20.9,24.55 20.9,24.3 20.625,24.025 ; v1(21.3,24) 21.275,24.025 20.625,24.025
  Top Layer w0.3: I2C1.9@16.35,31.4 16.35,32.25 16.7,32.6 26.8,32.6 27.8,31.6 27.8,27.2 27.525,26.925 C16.1@26.6,26.925 ; C32.2@17.775,26.05 U13.1@18.9,26.05 v6@18.9,26.775
  POWER w0.2: 18.9,24.025 18.925,24 v1(21.3,24)
  POWER w0.254: v4@0.4,6.9 0.398,6.902 0.398,13.498 0.4,13.5
  POWER w0.6: 12.274,14.574 12.361,14.661 14.461,14.661 15.1,15.3 15.1,17.499 14.776,17.823 14.776,20.801 16.675,22.7 25.3,22.7 26.4,23.8 26.4,26.838 26.562,27 v5(27,27) ; 18.9,22.7 18.9,24.025 v6(18.9,26.65)
  Bottom Layer w0.15: v4(0.4,7.082) 0.4,6.4 1.8,5 5.2,5 5.5,4.7 5.5,2.4 7.2,0.7 D1.1@10.8,0.7 ; v2(1,27.7) 1,25.5 1.926,24.574 U20.3@1.926,23.934
  Bottom Layer w0.2: v2(1.153,12.9) 1.6,12.9 2.026,12.474 U21.3@2.026,11.234 ; U$9001.65@10.483,11.616 10.483,10.717 10.8,10.4 v2(11.2,10.4) 11.3,10.4 11.525,10.625 U$9001.61@11.525,11.375
  Bottom Layer w0.3: U$9001.63@10.991,11.613 U$9001.63@10.986,11.608 10.986,10.614 v2(11.2,10.4)
  other v3: 8,10.1 11.1,12.5
  other v5: 26.4,27
VDD_5V_IN_IMU: C17.A IMU.2 IMU.3 U$9001.9 | length 12
  Top Layer w0.2: IMU.2@29.3,14.35 30.084,14.35 v7@30.334,14.6
  Top Layer w0.25: IMU.3@29.3,14.75 30.219,14.75 v7(30.334,14.634)
  POWER w0.3: v1(25.2,9.9) 25.2,11.6 27,13.4 28,13.4 29.234,14.634 v7(30.334,14.634)
  Bottom Layer w0.4: U$9001.9@24.507,11.3 24.507,10.693 25.2,10 v1(25.2,9.9)
VDD_5V_RC_EN: U1.K13
VDD_5V_WIFI_EN: U1.J15
VREF+: C47.2 C48.2 U1.P1 U2.2 | length 3.8
  Top Layer w0.15: C48.2@5.95,24.775 U2.2@5.95,25.975 5.95,26.55 6.175,26.775 C47.2@6.9,26.775 ; U1.P1@6.1,23.55 C48.2@6.1,24.575
VREF-: R4.2 U1.M1 U1.N1 | length 1.7
  Top Layer w0.15: U1.M1@7.4,23.55 R4.2@7.4,24.75
  Top Layer w0.154: U1.N1@6.808,23.608 U1.M1@7.342,23.608
pads on no net: BOOT0.A1 BOOT0.B3 I2C1.0 I2C1.5 M1.1 M2.1 R21.1 R21.8 U1.D13 U4.3 U4.4 U4.7 U4.8 U4.12 U4.15 U13.6 U24.6 U$9001.hole-2

## Polygon pours and split planes (outlines as drawn)
VDD_5V_IN on Top Layer "NONET_L-01_P-001" (solid, remove dead copper, pour order 92): 7.4,8.2 9.4,8.2 9.4,10.1 9.6,10.3 9.613,10.287 10.713,10.287 11.025,9.975 11.05,10 11.9,10 11.9,11.5 7.4,11.5
VDD_5V_IN_IMU on Top Layer "NONET_L-01_P-001" (solid, remove dead copper, pour order 90): 24.6,11 25.5,11 25.7,10.8 25.7,10.2 25.893,10.007 25.9,10 25.9,6.8 24.2,6.8 24.2,10.6
IO1_3V3 on Top Layer "NONET_L-01_P-001" (solid, remove dead copper, pour order 12): 20.6,25.4 21.6,25.4 21.6,24.6 21.8,24.4 22.6,24.4 22.6,25.2 22.8,25.4 23,25.4 23,27 21.6,27 21.6,25.9 21.5,25.8 21.4,25.7 20.5,25.7
MCU_3V3 on Top Layer "NONET_L-01_P-001" (solid, remove dead copper, pour order 10): 20.6,25.9 21.3,25.9 21.4,26 21.4,26.5 21.4,27.2 21.5,27.3 23,27.3 23,28.8 21.8,28.8 21.7,28.8 21.6,28.7 21.5,28.6 21.5,27.9 20.1,27.9 20,27.8 20,26.6 20.4,26.6 20.6,26.4
IMU_3V3 on Top Layer "NONET_L-01_P-001" (solid, remove dead copper, pour order 8): 28.075,25.7 29.5,25.7 29.5,26.5 30.5,26.5 30.5,28.325 30.35,28.475 28.05,28.475
VDD_5V_IN on Top Layer "NONET_L-01_P-001" (solid, remove dead copper, pour order 6): 25.85,25.65 27.3,25.65 27.4,25.75 27.45,25.8 27.45,27.45 25.95,27.45 25.85,27.35
TF_3V3 on Top Layer "Top Layer-No Net" (solid, remove dead copper, pour order 2): 28.1,25.2 29.2,25.2 29.3,25.1 29.3,23.9 30.1,23.9 30.3,24.1 30.5,24.3 30.5,26.5 29.5,26.5 29.5,25.7 29.5,25.6 29.4,25.5 28.1,25.5
MCU_3V3 on Top Layer "NONET_L-01_P-001" (solid, remove dead copper, pour order 118): 28.1,24.5 28.9,24.5 28.9,23.6 28.8,23.5 28.5,23.2 27.2,23.2 27.2,24 27.3,24.1 27.9,24.1 27.9,24.3 28.1,24.5
GND on Top Layer "Top Layer-GND" (solid, remove dead copper, pour order 130): -0.2,33.9 0,33.7 33.9,33.7 33.9,1.5 32.1,-0.3 -0.4,-0.3
VDD_5V_IN on S1 "NONET_L-01_P-001" (solid, remove dead copper, pour order 20): 10.4,10.2 11.85,10.2 11.85,12.575 11.575,12.85 11.525,12.8 10.6,12.8 10.4,12.6 10.4,11.4
GND on S1 "S1-GND" (solid, remove dead copper, pour order 122): -0.2,33.9 0,33.7 33.9,33.7 33.9,1.5 32.1,-0.3 -0.4,-0.3
VDD_5V_IN on POWER "NONET_L-01_P-001" (solid, remove dead copper, pour order 88): 11.2,12.6 -0.15,12.6 -0.15,14.724 0.018,14.892 -0.125,15.525 5.65,15.45 13.25,15.1 13.6,15.1 13.6,13.8 12.873,13.562 12.35,12.825
VDD_5V_IN on POWER "NONET_L-01_P-001" (solid, remove dead copper, pour order 46): 0,28.15 1.3,28.15 1.475,27.975 1.625,27.825 1.625,22.125 1.625,19.45 2.55,18.525 3.437,17.637 3.438,15.312 2.625,14.5 2.25,14.125 2.25,12.625 0.05,12.625 -0.075,12.75 0,12.825 0,21.2
MCU_3V3 on POWER "NONET_L-01_P-001" (solid, remove dead copper, pour order 22): 14.4,18.9 14.4,18.3 14.4,14.8 6.1,15 3.85,15.65 3.497,16.003 3.497,17.603 2.5,18.5 1.875,18.5 1.575,18.8 1.8,19.65 1.8,21.275 1.8,22.1 1.8,23.1 1.8,25.3 12.9,25.3 13.2,25 14.4,23.8 14.4,21.8
GND on POWER "POWER-GND" (solid, remove dead copper, pour order 126): -0.2,33.9 0,33.7 33.9,33.7 33.9,1.5 32.1,-0.3 -0.4,-0.3
GND on GND "GND-GND" (solid, remove dead copper, pour order 120): -0.2,33.9 0,33.7 33.9,33.7 33.9,1.5 32.1,-0.3 -0.4,-0.3
GND on S2 "S2-GND" (solid, remove dead copper, pour order 124): -0.356,33.892 -0.156,33.692 33.744,33.692 33.744,1.492 31.944,-0.308 -0.556,-0.308
GND on Bottom Layer "Bottom Layer-GND" (solid, remove dead copper, pour order 128): -0.2,33.9 0,33.7 33.9,33.7 33.9,1.5 32.1,-0.3 -0.4,-0.3

## Keep-outs
Keep-Out Layer:
  the board outline again, w0.013

## Other copper
Top Layer:
  rectangle net GND: 19.65,25.125 20.175,26.225

## Silkscreen, mask and mechanical layers (free items; w line width, h text height)
Top Overlay:
  text "15" at 29.1,20.1 h1
  text "16" at 23.9,20 h1
  text "30" at 23.85,13 h1
  text "1" at 29.5,12.9 h1
  text "V1.6" at 18.4,0.3 h1.25

## Text inside footprints (layer, text, board x,y; h text height)
D5: Top Overlay "+" at 11.325,5.074 h1.5 r270; Top Overlay "-" at 11.6,2.474 h1.5